# Altium PCB USBC_PD_Development_PCB.PcbDoc (part 2 of 3)
Units mm, origin at the board's own origin, x right, y up, seen from the top; angles counter-clockwise.
Board outline 127.25 x 73.25 mm, 4 copper layers (Top Layer, Layer 1, Layer 2, Bottom Layer), stack 0.603 mm thick; 169 components, 114 nets, 547 pads, 305 vias.
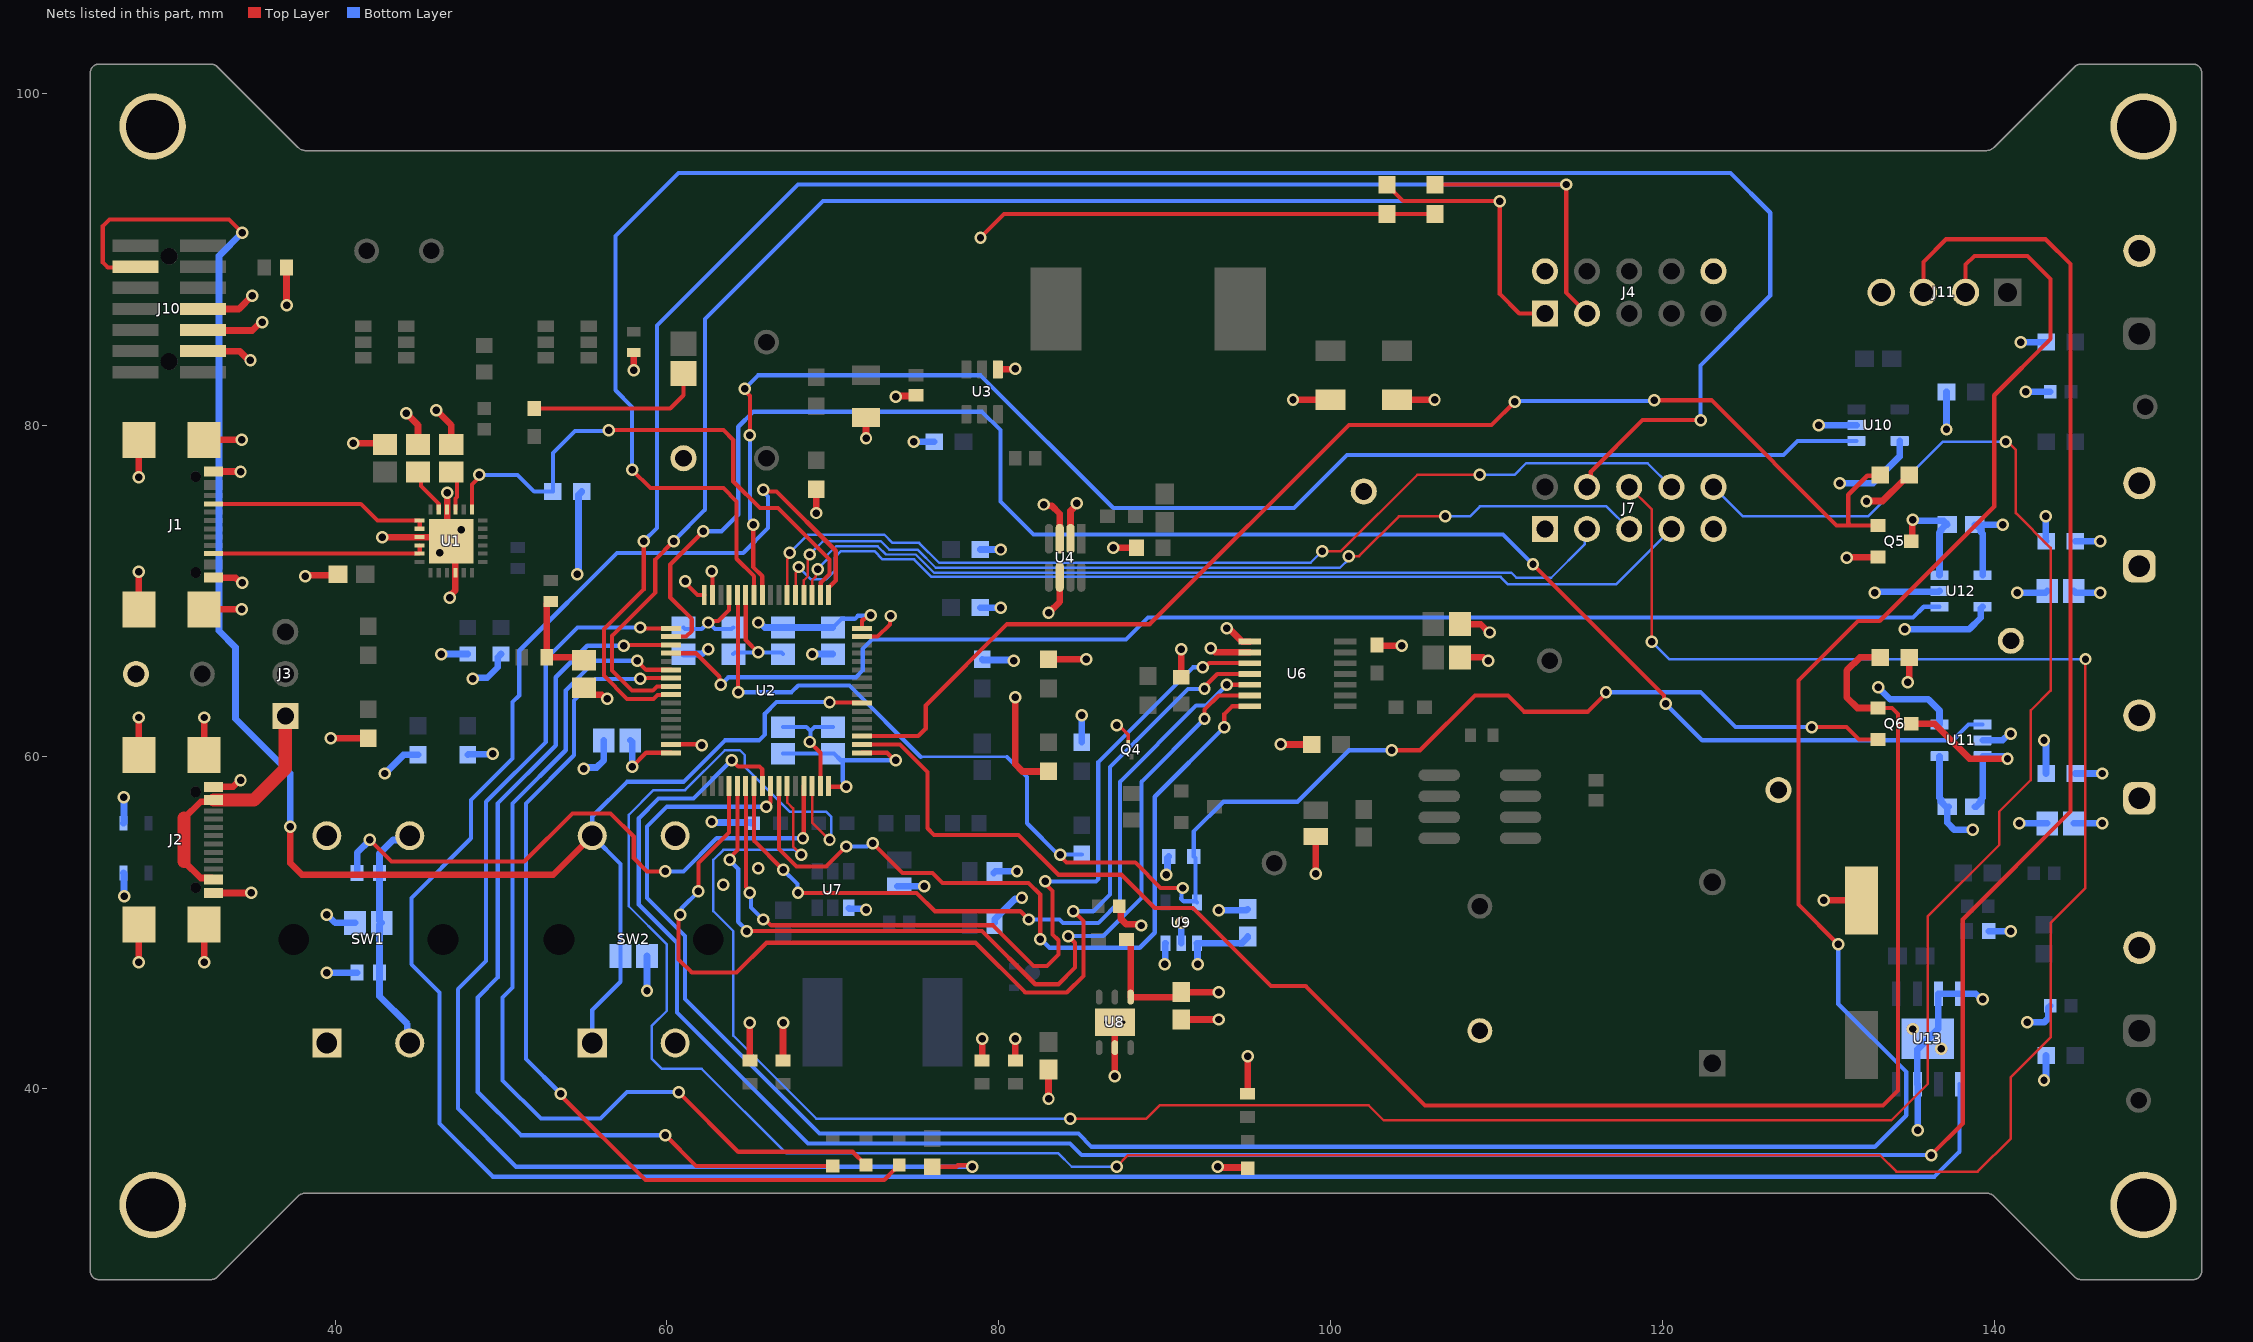
[diagram p4: the nets of this part, all layers, seen from the top]

## Part data (continued)
J10: library part CMP-02766-001414-1, "CONN HEADER SMD 14POS 1.27MM", Contact Material=Bronze, Contact Plating=Gold, Gender=Male, Lead Free="Lead Free", Number Of Contacts=14, Number of Rows=2, Pitch=1.27mm, RoHS Compliant=Yes, Termination=Solder
J11: library part CMP-2000-05548-1, "Male Header, Pitch 2.54 mm, 1 x 4 Position, Height 12.8 mm, Tail Length 3.5 mm, -55 to 105 degC, RoHS, Bulk", Color=Black, Manufacturer="TE Connectivity", Package Description="Male Header, Pitch 2.54 mm, 1 x 4 Position, Height 12.8 mm, Tail Length 3.5 mm", Standard Package=1,000, 3D Model=280371-2.pdf, Category=Connectors,Interconnects, Connector Type=Header,Shrouded, Contact Finish=Gold, Contact Finish Thickness=15µin(0.38µm), Contact Mating Length="0.260\"(6.60mm)", Contact Type=MalePin, Datasheet URL=http://www.te.com/commerce/DocumentDelivery/DDEController?Action=showdoc&DocId=Customer+Drawing%7F280370%7FM1%7Fpdf%7FEnglish%7FENG_CD_280370_M1.pdf%7F280371-2, Datasheet Version="Rev. M1, 08/2016", Dynamic Catalog=AMPMODUModIISeries, Family=RectangularConnectors-Headers,MalePins, Manufacturer URL=http://www.te.com/, Mounting Technology=ThroughHole, Mounting Type=ThroughHole, Number of Positions=4, Number of Positions Loaded=All, Number of Rows=1, Other Names="280371-2-ND / A106401", Package Reference=280371-2, Packaging=Bulk, Pitch="0.100\"(2.54mm)", RoHS Information=280371-2StatementofCompliance, Series=AMPMODUModII, Termination=Solder
J12 J13 J14 J15 J16: library part CMP-2000-05181-2, "PC TEST POINT MINIATURE BLACK", Color=Black, Flammability Rating="UL94 V-0", Package Quantity=100, Body Material=Bronze, Contact Material=Bronze, Contact Plating=Silver, Diameter=2.54mm, Height=0.3inch, Hole Diameter=1.6mm, Housing Color=Black, Inside Diameter=1.27mm, Insulation=Insulated, Insulation Material=Nylon, Lead Free="Lead Free", Length=7.62mm, Material=Nylon, Mount="Through Hole", Number Of Contacts=1, Number of Ports=1, Orientation=Straight, Outside Diameter=2.54mm, Packaging=Bulk, Plating=Silver, REACH SVHC="No SVHC", RoHS Compliant=Yes, Series=THM, Termination="Through Hole"
L1: library part CMP-07248-000069-1, "FIXED IND 10UH 10A 16.5 MOHM SMD", Case/Package=Nonstandard, Current Rating=10A, DC Resistance (DCR)=16.5mR, Inductance=10uH, Inductance Tolerance=20%, Max Operating Temperature=150°C, Min Operating Temperature=-40°C, Package Quantity=500, Ratings=AEC-Q200, Resistor Type=Wirewound, Saturation Current=15.5A, Self Resonant Frequency=10MHz, Test Frequency=100kHz, Core Material="Carbonyl Powder", Depth=12.5mm, Height=6.2mm, Height - Seated (Max)=0.252inch, Length=13.5mm, Max DC Current=10A, Mount="Surface Mount", Packaging="Cut Tape", Q Factor=20, REACH SVHC="No SVHC", RMS Current (Irms)=10A, RoHS Compliant=Yes, Shielding=Shielded, Termination=SMD/SMT, Tolerance=20%, Width=0.492inch
L2: library part CMP-03913-130924366-2, "Toroidal Inductors, 90Uh, 0.04 Ohm, 4.6A Rohs Compliant: Yes", Ambient Temperature Range High=65°C, Ambient Temperature Range Low=-40°C, Current Rating=4.6A, Inductance=90µH, Max Operating Temperature=105°C, Length=18.5mm, Min Operating Temperature=-40°C, Pin Length=15mm, RoHS=Compliant, Width=10.5mm
L3: library part CMP-05439-000002-1, "FIXED IND 10UH 5.2A 45.76 MOHM", Inductance=10uH, Manufacturer=Panasonic, Package=PCC-M0840M-LP, Rms Current=4.4A, Saturation Current=9.1A, Series Resistance=45.76mΩ, Temperature="-55°C to +155°C", Temperature Range High=+155°C, Temperature Range Low=-55°C, Test Frequency=100kHz, Tolerance=20%, Automotive=Yes, Automotive Grade="Grade 0", Category=Ind, ComponentLink2Description=Datasheet, ComponentLink2URL=https://industrial.panasonic.com/cdbs/www-data/pdf/AGL0000/AGL0000C63.pdf, Core Material="Metal Composite", Device Class L1="Passive Components", Device Class L2=Inductors, Device Class L3="Fixed Inductors", Digikey Description="FIXED IND 10UH 5.2A 45.76 MOHM", Height=4mm, Lead Free=Yes, Manufacturer Part Number=ETQP4M100KVK, Octopart=https://octopart.com/etqp4m100kvk-panasonic-71577993, RoHS=TRUE, Shielding=true, Standoff Height=0.05mm
Q1 Q2: library part CMP-07173-000014-1, "MOSFET P-CH 30V 4A SSOT-6", Continuous Drain Current=-4A, Drain To Source Breakdown Voltage=-30V, Drain To Source Resistance=0.041Ω, Gate To Source Voltage=20V, Input Capacitace At Vds="750pF @ -15V", Manufacturer="ON Semiconductor", Max Forward Diode Voltage=-1.2V, Max Junction Temp=+150°C, Package=419BL, Power Dissipation=0.8W, Pulse Drain Current=-20A, Temperature="-55°C to +150°C", Temperature Range Low=-55°C, Typ Forward Diode Voltage=-0.76V, Automotive=No, Category=Trans, ComponentLink2Description=Datasheet, ComponentLink2URL=https://www.onsemi.com/pub/Collateral/FDC658P-D.PDF, Depletion Mode=False, Device Class L1="Discrete Semiconductors", Device Class L2=Transistors, Device Class L3=MOSFETs, Digikey Description="MOSFET P-CH 30V 4A SSOT-6", Drain To Source Voltage=-30V, Footprint Url=https://www.onsemi.com/pub/Collateral/419BL.PDF, Gate Charge At Vgs="8nC @ -5V", Height=1.1mm, Lead Free=Yes, Manufacturer Part Number=FDC658P, Mouser Description="MOSFET SSOT-6 P-CH -30V", Number Of Channels=1, Number Of P Channels=1, Octopart=https://octopart.com/fdc658p-on+semiconductor-84325768, RoHS=TRUE, Rthja Max=78°C/W, Standoff Height=0mm, Temperature Range High=+150°C, Threshold Vgs Max=-3V, Threshold Vgs Min=-1V, Transconductance=9S, Turn Off Delay Time=24ns, Turn On Delay Time=12ns
Q3 Q5 Q6: library part CMP-12801-000065-1, "MOSFET P-CH 20V 3A SOT23", Continuous Drain Current=-3A, Drain To Source Breakdown Voltage=-20V, Drain To Source Resistance=120mΩ, Gate To Source Voltage=8V, Input Capacitace At Vds="476pF @ -10V", Manufacturer="Diodes Inc.", Max Forward Diode Voltage=-1.2V, Max Junction Temp=+150°C, Package=SOT23, Power Dissipation=1.5W, Pulse Drain Current=-10A, Temperature="-55°C to +150°C", Temperature Range Low=-55°C, Automotive=No, Category=Trans, ComponentLink2Description=Datasheet, ComponentLink2URL=https://www.diodes.com/assets/Datasheets/DMG2301L.pdf, Depletion Mode=False, Device Class L1="Discrete Semiconductors", Device Class L2=Transistors, Device Class L3=MOSFETs, Digikey Description="MOSFET P-CH 20V 3A SOT23", Drain To Source Voltage=-20V, Footprint Url=https://www.diodes.com/assets/Package-Files/SOT23.pdf, Gate Charge At Vgs="5.5nC @ -4.5V", Height=1.1mm, Lead Free=Yes, Manufacturer Part Number=DMG2301L-7, Mouser Description="Single P-Channel 20 V 1.5 W 5.5 nC Silicon Surface Mount Mosfet - SOT-23", Number Of Channels=1, Number Of P Channels=1, Octopart=https://octopart.com/dmg2301l-7-diodes+inc.-67250456, RoHS=TRUE, Rthja Max=83°C/W, Standoff Height=0.013mm, Temperature Range High=+150°C, Threshold Vgs Max=-1.2V, Threshold Vgs Min=-0.4V, Turn Off Delay Time=30ns, Turn On Delay Time=5ns
Q4: library part CMP-1048-00443-1, "NPN General Purpose Transistor, 3-Pin SOT-1123, Pb-Free, Tape and Reel", Manufacturer="On Semiconductor", ComponentLink1Description="Manufacturer URL", ComponentLink1URL=http://www.onsemi.com/, ComponentLink2Description=Datasheet, ComponentLink2URL=http://www.onsemi.com/pub_link/Collateral/NST847BF3-D.PDF, ComponentLink3Description="Package Specification", ComponentLink3URL=http://www.onsemi.cn/pub_link/Collateral/524AA.PDF, DatasheetVersion="Rev. 1", fT Min (MHz)=100, IC Continuous (A)=0.1, Mounting Technology="Surface Mount", PackageDescription="3-Pin Small Outline Transistor, Body 0.8 x 0.6 mm, Pitch 0.375 mm", PackageReference=SOT-1123-3-524AA, PackageVersion="Rev. C, 11/2011", Packing="Tape and Reel", PartNumber=NST847BF3T5G, Polarity=NPN, RoHS=TRUE
R1 R8 R9 R23 R28 R30 R31 R32: library part CMP-1012-00736-1, "100K 0.1W 1% 0603 (1608 Metric)  SMD", Case-EIA=0603, Case-Metric=1608, Power="0.1 W", Tolerance="1 %", Technology=SMT
R2: library part CMP-03412-000681-1, "RES SMD 0603 1/4W 1% 120 OHM", Manufacturer=Yageo, Manufacturer Part Number=SR0603FR-7T120RL, Package=SR0603, Power Rating=0.25W, Resistance=120Ω, Temperature="-55°C to +155°C", Temperature Range High=+155°C, Temperature Range Low=-55°C, Tolerance=0.01, Voltage Rating=75V, Automotive=Yes, Automotive Grade="Grade 0", Category=Res, ComponentLink2Description=Datasheet, ComponentLink2URL=http://www.yageo.com/documents/recent/PYu-SR_D_F%20tol_RoHS_L_3.pdf, Composition="Thick Film", Device Class L1="Passive Components", Device Class L2=Resistors, Device Class L3="Chip SMD Resistors", Digikey Description="RES SMD 0603 1/4W 1% 120 OHM", Footprint Url=http://www.yageo.com/exep/pages/download/literatures/PYu-R_Mount_10.pdf, Height=0.55mm, Ipc Land Pattern Name=RESC16080X45, Lead Free=Yes, Mouser Description="Surge Chip Resistor Automotive Grade Thick Film 0603 120Ohm 1% Paper T/R", Octopart=https://octopart.com/sr0603fr-7t120rl-yageo-92673849, RoHS=TRUE, Series=SR
R3: library part CMP-03211-006681-1, "CRGP 0603 22K 1%", Ambient Temperature Range High=+70°C, Manufacturer=TE, Package=CRGP0603, Power Rating=0.25W, Resistance=22KΩ, Temperature="-55°C to +155°C", Temperature Coefficient=±100ppm/°C, Temperature Range High=+155°C, Temperature Range Low=-55°C, Tolerance=0.01, Voltage Rating=50V, Automotive=No, Category=Res, ComponentLink2Description=Datasheet, ComponentLink2URL=https://www.te.com/commerce/DocumentDelivery/DDEController?Action=srchrtrv&DocNm=9-1773463-9&DocType=DS&DocLang=English, Composition="Thick Film", Device Class L1="Passive Components", Device Class L2=Resistors, Device Class L3="Chip SMD Resistors", Digikey Description="CRGP 0603 22K 1%", Height=0.55mm, Ipc Land Pattern Name=RESC16080X45, Lead Free=Yes, Manufacturer Part Number=CRGP0603F22K, Octopart=https://octopart.com/crgp0603f22k-te+connectivity-91018742, RoHS=TRUE, Series=CRGP
R4 R7: library part CMP-02407-000843-1, "RES SMD 100 OHM 1% 1/8W 0603", Case/Package=0603, Max Power Dissipation=125mW, Resistance=1kR, Temperature Coefficient=25ppm/°C, Tolerance=0.1%, Composition="Thin Film", Height=0.022inch, Length=0.061inch, Number of Terminations=2, Packaging="Tape and Reel", Width=0.033inch
R5: library part CMP-02407-009460-1, "RES Thick Film, 470Ω, 5%, 0.33W, 200ppm/°C, 0603", Case Code (Imperial)=0603, Case Code (Metric)=1608, Max Operating Temperature=155°C, Max Power Dissipation=250mW, Min Operating Temperature=-55°C, Package Quantity=5000, Temperature Coefficient=200ppm/°C, Tolerance=5%, Voltage Rating=75V, Case/Package=0603, Composition="Thick Film", Contact Plating=Tin, Features="Automotive AEC-Q200", Height=0.022inch, Lead Free="Lead Free", Length=0.063inch, Number of Terminations=2, Packaging="Tape and Reel", Power Rating=250mW, Radiation Hardening=No, Resistance=470R, Termination=SMD/SMT, Weight=7.1E-05oz, Width=0.8mm
R6: library part CMP-02407-003273-1, "RES Thick Film, 10kΩ, 1%, 0.1W, 100ppm/°C, 0603", Case/Package=0603, Max Operating Temperature=155°C, Max Power Dissipation=100mW, Min Operating Temperature=-55°C, Package Quantity=10000, Resistance=10kR, Temperature Coefficient=100ppm/°C, Tolerance=1%, Composition="Thick Film", Features="Automotive AEC-Q200", Height=0.02inch, Lead Free="Lead Free", Length=0.061inch, Number of Terminations=2, Packaging="Tape and Reel", Width=0.033inch
R10 R11: library part CMP-02407-012453-1, "RES 5.1K OHM 5% 1/10W 0603", Case/Package=SMD/SMT, Max Operating Temperature=155°C, Min Operating Temperature=-55°C, Power Rating=100mW, Resistance=5.1kR, Resistor Type="Thick Film", Temperature Coefficient=200ppm/°C, Tolerance=5%, Contact Plating=Tin, Lead Free="Lead Free", Length=1.55mm, Mount="Surface Mount", RoHS Compliant=Yes, Termination=Wraparound
R12 R13 R14 R15 R16 R24 R25 R29 R40 R41 R69 R70: library part CMP-03412-006483-2, "RES 4.7KΩ 1.00% 0.1W 0603", Case/Package=0603, Resistance=4.7kR, Tolerance=1%, RoHS Compliant=Yes
R17 R18 R19 R20 R35: library part CMP-1659-00020-2, "Chip Resistor, 330 Ohm, +/- 1%, 0.1 W, -55 to 155 degC, 0603 (1608 Metric), RoHS, Tape and Reel", Capacitance="47 uF", Case Code (Imperial)=2917, Case Code (Metric)=7343, Max Operating Temperature=125degC, Min Operating Temperature=-55degC, Package Quantity=500, Tolerance=10%, Voltage Rating="16 V", Case/Package=2917, ComponentLink1Description="Manufacturer URL", ComponentLink1URL=http://www.yageo.com/, ComponentLink2Description=Datasheet, ComponentLink2URL=http://www.yageo.com/documents/recent/PYu-RC_Group_51_RoHS_L_04.pdf, DatasheetVersion="Rev. 4, 02/2016", ESR="800 mohm", Height="3.1 mm", Length="7.3 mm", Mount="Surface Mount", PackageDescription="2-Pin Surface Mount Device, Body 1.6 x 0.8 mm", PackageReference=0603, Packaging="Tape and Reel", Pins=2, Radiation Hardening=No, REACH SVHC="No SVHC", RoHSCompliant=True, Voltage Rating (DC)="16 V", Width="4.3 mm"
R21 R22 R44 R54: library part CMP-2000-00258-1, Manufacturer=Panasonic, Part Number=ERJ-3EKF1502V
R26: library part CMP-26527-003125-1, "General Purpose Thick Film Chip Resistor, 0603, 0.2Ω, 1%, 300ppm/°C, 0.125W", Case Code (Imperial)=0603, Case Code (Metric)=1608, Max Operating Temperature=155°C, Max Power Dissipation=125mW, Min Operating Temperature=-55°C, Resistance=200mR, Resistor Type="Thick Film", Temperature Coefficient=300ppm/°C, Tolerance=1%, Case/Package=0603, Contact Plating=Tin, Height=0.022inch, Lead Free="Lead Free", Length=0.063inch, Mount="Surface Mount", Number of Terminations=2, Packaging="Tape and Reel", Radiation Hardening=No, RoHS Compliant=Yes, Series=CSR, Width=0.031inch
R27 R68: library part CMP-00621-87214386-1, "Fixed Resistor, Thin Film, 0.1W, 500ohm, 75V, 0.1% +/-Tol, 15ppm/Cel, Surface Mount, 0603", Case/Package=0603, Max Operating Temperature=155°C, Min Operating Temperature=-55°C, Power Rating=100mW, Resistance=500Ω, Temperature Coefficient=15ppm/°C, Tolerance=0.1%, Voltage Rating=75V, ComponentLink1Description="Manufacturer URL", ComponentLink1URL=http://www.yageo.com/, ComponentLink2Description="Datasheet URL", ComponentLink2URL=https://www.yageo.com/upload/media/product/productsearch/datasheet/rchip/PYu-RT_1-to-0.01_RoHS_L_15.pdf, ComponentLink3Description="Package URL", ComponentLink3URL=http://www.yageo.com/exep/pages/download/literatures/PYu-R_Mount_10.pdf, Composition="Thin Film", Height=550µm, Packaging="Tape & Reel", RoHS=Non-Compliant
R33 R34 R36: library part CMP-03412-020972-2, "Thin Film Chip Resistors Automotive Grade 47kΩ 1% 50ppm/°C 0603", Case Code (Imperial)=0603, Case Code (Metric)=1608, Max Operating Temperature=155°C, Max Power Dissipation=100mW, Min Operating Temperature=-55°C, Ratings=AEC-Q200, Resistance=47kR, Resistor Type="Thin Film", Temperature Coefficient=50ppm/°C, Tolerance=1%, Case/Package=0603, Features="Moisture Resistant", Height=0.022inch, Length=0.063inch, Number of Terminations=2, Packaging="Cut Tape", RoHS Compliant=Yes, Series=AT, Width=0.032inch
R37: library part CMP-03211-008902-1, "CRGP0603 15KΩ 0.25W ±100ppm/°C 1% 50V", Ambient Temperature Range High=+70°C, Manufacturer=TE, Package=CRGP0603, Power Rating=0.25W, Resistance=15KΩ, Temperature="-55°C to +155°C", Temperature Coefficient=±100ppm/°C, Temperature Range High=+155°C, Temperature Range Low=-55°C, Tolerance=0.01, Voltage Rating=50V, Automotive=No, Category=Res, ComponentLink2Description=Datasheet, ComponentLink2URL=https://www.te.com/commerce/DocumentDelivery/DDEController?Action=srchrtrv&DocNm=9-1773463-9&DocType=DS&DocLang=English, Composition="Thick Film", Device Class L1="Passive Components", Device Class L2=Resistors, Device Class L3="Chip SMD Resistors", Height=0.55mm, Ipc Land Pattern Name=RESC16080X45, Lead Free=Yes, Manufacturer Part Number=CRGP0603F15K, Octopart=https://octopart.com/crgp0603f15k-te+connectivity-91018729, RoHS=TRUE, Series=CRGP
R38 R39 R42 R43 R46 R47 R50: library part CMP-03412-042588-1, "RES 1MΩ 1.00% 0.1W 0603", Case/Package=0603, Resistance=1MR, Tolerance=1%, RoHS Compliant=Yes
R45 R48 R49 R55 R56 R57 R58 R59 R60 R61: library part CMP-03412-043770-1, "RES 100kΩ 1.00% 0.2W 0603"
R51: library part CMP-26527-006122-1, "200kΩ ±1% 0.1W 0603 Thick Film Chip Resistor AEC-Q200 compliant", Case/Package=0603, Max Operating Temperature=155°C, Max Power Dissipation=100mW, Min Operating Temperature=-55°C, Resistance=200kR, Resistor Type="Thick Film", Temperature Coefficient=100ppm/°C, Tolerance=1%, Contact Plating=Tin, Features="Automotive AEC-Q200", Height=0.022inch, Length=0.061inch, Mount="Surface Mount", Number of Terminations=2, Packaging="Tape and Reel", Radiation Hardening=No, RoHS Compliant=Yes, Series=RMCF, Width=0.031inch
R52 R53: library part CMP-03211-001378-1, "CRGCQ0603 33KΩ 5% ±100ppm/°C 75V", Ambient Temperature Range High=+70°C, Manufacturer="TE Connectivity", Manufacturer Part Number=CRGCQ0603J33K, Package=CRGCQ0603, Power Rating=0.1W, Resistance=33KΩ, Temperature="-55°C to +155°C", Temperature Coefficient=±100ppm/°C, Temperature Range High=+155°C, Temperature Range Low=-55°C, Tolerance=0.05, Voltage Rating=75V, Category=Res, ComponentLink2Description=Datasheet, ComponentLink2URL=https://www.te.com/commerce/DocumentDelivery/DDEController?Action=showdoc&DocId=Data+Sheet%7F1773204-3%7F1%7Fpdf%7FEnglish%7FENG_DS_1773204-3_1.pdf%7F4-2176339-1037, Composition="Thick Film", Device Class L1="Passive Components", Device Class L2=Resistors, Device Class L3="Chip SMD Resistors", Height=0.55mm, Ipc Land Pattern Name=RESC16080X45, Lead Free=Yes, Octopart=https://octopart.com/crgcq0603j33k-te+connectivity-91018119, RoHS=TRUE, Series=CRGCQ
R62 R63 R64 R65: library part CMP-26527-001905-1, "RES 0.01 OHM 1% 1/4W 0603", Case Code (Imperial)=0603, Case Code (Metric)=1608, Max Operating Temperature=170°C, Max Power Dissipation=250mW, Min Operating Temperature=-55°C, Resistance=10mR, Resistor Type="Metal Foil", Temperature Coefficient=75ppm/°C, Tolerance=1%, Case/Package=0603, Construction=Rectangular, Depth=0.8mm, Features="Moisture Resistant", Height=0.03inch, Lead Free="Lead Free", Length=0.063inch, Military Standard=Not, Mount="Surface Mount", Number of Terminations=2, Packaging="Tape and Reel", RoHS Compliant=Yes, Series=CSRF, Width=0.031inch
R66: library part CMP-03412-016018-1, "RES SMD 0603 1/4W 1% 10 OHM", Manufacturer=Yageo, Manufacturer Part Number=SR0603FR-7T10RL, Package=SR0603, Power Rating=0.25W, Resistance=10Ω, Temperature="-55°C to +155°C", Temperature Range High=+155°C, Temperature Range Low=-55°C, Tolerance=0.01, Voltage Rating=75V, Automotive=Yes, Automotive Grade="Grade 0", Category=Res, ComponentLink2Description=Datasheet, ComponentLink2URL=http://www.yageo.com/documents/recent/PYu-SR_D_F%20tol_RoHS_L_3.pdf, Composition="Thick Film", Device Class L1="Passive Components", Device Class L2=Resistors, Device Class L3="Chip SMD Resistors", Digikey Description="RES SMD 0603 1/4W 1% 10 OHM", Footprint Url=http://www.yageo.com/exep/pages/download/literatures/PYu-R_Mount_10.pdf, Height=0.55mm, Ipc Land Pattern Name=RESC16080X45, Lead Free=Yes, Octopart=https://octopart.com/sr0603fr-7t10rl-yageo-91478074, RoHS=TRUE, Series=SR
R67: library part CMP-03412-041670-1, "RES 3.3kΩ 1.00% 0.2W 0603", RoHS Compliant=Yes
SW1 SW2: library part CMP-2000-05902-1, "Tactile Switch, 1 to 50 mA, 100 mOhm Max, 5 to 24 VDC, -25 to 70 degC, 4-Pin THD, RoHS, Bulk", Actuator Color=Orange, Contact Rating @ Voltage=0.05@24VDCA, Dielectric Strength=500VAC, Manufacturer=OmronElectronics, Maximum AC Voltage Rating=N/A, Maximum Contact Resistance=100mOhm, Maximum DC Voltage Rating=24V, Minimum Insulation Resistance=100MOhm, Operating Force=2.55N, Operating Temperature=-25to70C, Package Description="4-Pin Through Hole Device, Body 12 x 12 mm", Actuator Length=3mm, Actuator Style=ProjectedPlunger, Base Material=N/A, Body Orientation=Straight, Contact Material=N/A, Contact Plating=Gold, Datasheet URL=https://datasheet.ciiva.com/20148/78-0136-20148640.pdf, Datasheet Version=06/2009, Dimension=12x12x7.3mm, Electrical Life=1000000Cycles, Family=B3F, Ground Terminal=No, Housing Material=N/A, Illumination Type=N/R, Manufacturer URL=http://www.omron.com/, Mechanical Life=N/A, Mounting=ThroughHole,PCPins, Mounting Technology=ThroughHole, Package Reference=B3F-4055, Packaging=Bag, Part No=B3F-4055, Pole Throw Configuration=SPST, Product Weight=0.85g, RoHS=Yes, Seal Description=N/A, Seal Location=N/A, Switch Configuration=N.O., Type=Miniature
TP1 TP2 TP3 TP4 TP5 TP6 TP7 TP8 TP9: library part CMP-1672-00009-1, "Test Point, Orange, 1-Pin THD, RoHS", Forward Current="3 A", Forward Voltage="1.08 V", Max Operating Temperature="150 degC", Max Surge Current="80 A", Min Operating Temperature="-65 degC", Package Quantity=500, Peak Reverse Current="600 uA", ComponentLink1Description="Manufacturer URL", ComponentLink1URL=http://www.keyelco.com/, ComponentLink2Description=Datasheet, ComponentLink2URL=http://keyelco.com/userAssets/file/M65p56.pdf, DatasheetVersion=Jun-15, Diameter="5.3 mm", Height="0.25 inch", Length="9.5 mm", Mount="Through Hole", PackageDescription="1-Pin Through Hole Device, Dia 2.54 mm", PackageReference=5003, Packaging=Bulk, Pins=2, Radiation Hardening=No, REACH SVHC="No SVHC", RoHSCompliant=true, Weight="0.01 lb", Width="0.25 inch"
U1: library part CMP-12113-000003-3, "4.1V~22V USB 2.0 I2C Controllers Interface ICs STUSB45 Controller 24-VFQFN Exposed Pad", Ambient Temperature Range High=105°C, Max Junction Temperature (Tj)=145°C, Max Supply Voltage=22V, Min Operating Temperature=-40°C, Min Supply Voltage=3V, Height=1mm, Interface="I2C, USB", Lifecycle Status=Production, Max Operating Temperature=105°C, Number of Ports=1, Schedule B="8542390000, 8542390000", Usb Standard="USB 2.0"
U2: library part CMP-12105-000150-1, "IC MCU 32BIT 128KB FLASH 64LQFP", RoHS Compliant=Yes
U3: library part CMP-04918-000032-1, "IC REG BUCK ADJ 3A TSOT23-6", Manufacturer="Texas Instruments", Max Junction Temp=+125°C, Max Supply Voltage=28V, Min Supply Voltage=4.5V, Nominal Supply Current=45uA, Output Current=3A, Output Voltage=0.6-26V, Package=DDC0006A, Switching Frequency=400kHz, Temperature="-40°C to +125°C", Temperature Range Low=-40°C, Automotive=No, Category=IC, ComponentLink2Description=Datasheet, ComponentLink2URL=http://www.ti.com/lit/ds/symlink/tps54302.pdf, Device Class L1="Integrated Circuits (ICs)", Device Class L2="Power Management ICs", Device Class L3="Voltage Regulators - Switching", Digikey Description="IC REG BUCK ADJ 3A TSOT23-6", Height=1.1mm, Ipc Land Pattern Name=SOT95P280X110-6, Lead Free=Yes, Manufacturer Part Number=TPS54302DDCR, Max Duty Cycle=100%, Number Of Outputs=1, Octopart=https://octopart.com/tps54302ddcr-texas+instruments-74209025, Output Type=AdjustableProgrammable, RoHS=TRUE, Standoff Height=0mm, Switching Topology=Buck, Temperature Range High=+125°C